# Allegro board RK3588_Template_LP4XD200P232SD10_32R6X52R0_2133MHz_H0R80_V10_20230220.brd (continued)
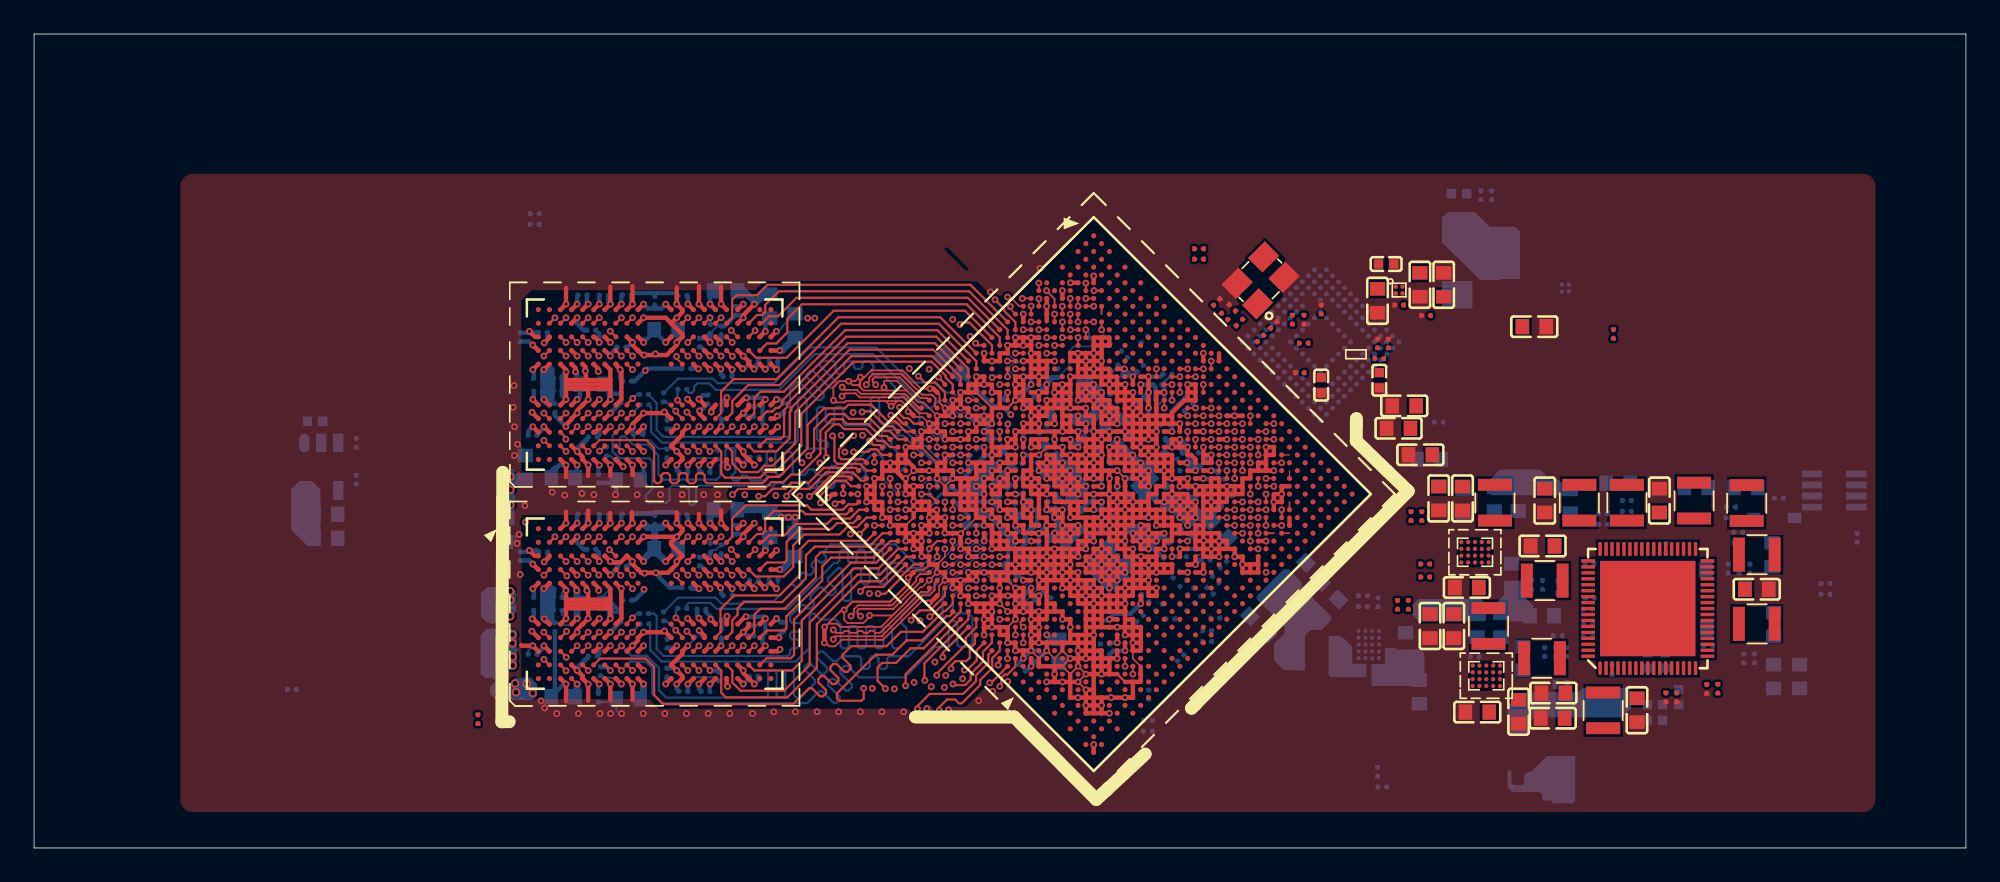
[diagram p0: board, top side]
## Routing (per net, layer and track width the routed paths; a pad name or vN(x,y) marks a point on that pad's centre or on a via; arc(x,y) is an arc through that point) (continued)
  BOTTOM w0.406: v1(64.95,18.94) 64.84,18.83 C3922.1 v1(65.41,17.56) v1(65.41,18.48) ; v1(64.95,18.02) v1(65.87,18.02)
VDD_NPU_S0: length 33.9
  TOP w0.254: 67.25,19.86 U1000.AD22 ; 67.25,19.86 v1(67.25,20.32) ; 67.25,19.86 U1000.AD22 ; U1000.AD22 v1(66.79,19.86) U1000.AC22 ; U1000.AD22 v1(67.25,19.4) U1000.AE22 ; U1000.AD22 v1(67.71,19.86) ; v1(67.71,18.94) U1000.AE22 ; U1000.AE22 v1(68.17,19.4) 68.17,19.86 ; U1000.AE22 v1(67.71,19.86) ; 68.17,19.86 v1(68.17,20.32) U1000.AD23 ; 68.17,19.86 v1(67.71,19.86) ; 68.17,19.86 U1000.AE23 ; v1(67.25,20.32) U1000.AD23 ; v1(67.25,20.32) U1000.AC23 ; v1(67.25,20.32) U1000.AC22 ; U1000.AD23 v1(67.71,19.86) ; U1000.AD23 67.71,20.78 U1000.AC23 ; U1000.AC22 v1(66.33,20.32) ; U1000.AC22 v1(66.79,20.78) ; v1(66.79,20.78) U1000.AB22 66.33,20.32 v1(66.33,20.32) ; v1(66.79,20.78) U1000.AC23 ; v1(66.79,20.78) U1000.AB23 ; v1(66.33,20.32) 65.87,20.32 U1000.AB21
  L4-S1 w0.084: v1(66.33,20.32) 66.01,20
  BOTTOM w0.089: v1(66.79,20.78) 66.99,20.78 ; 67.33,20.4 67.33,20.57 67.38,20.63
  BOTTOM w0.254: v1(66.79,20.78) 66.8,20.77 C3956.1 ; C3951.1 66.21,20.2 v1(66.33,20.32) ; C3951.1 66.77,19.88 v1(66.79,19.86) ; C3951.1 66.23,19.89 66.33,19.99 v1(66.33,20.32) ; v1(66.79,19.86) 66.79,19.86 v1(66.33,20.32) ; v1(66.79,19.86) v1(67.25,19.4) v1(67.71,18.94) 67.71,19.15 67.96,19.4 v1(68.17,19.4) 68.17,19.57 68.35,19.75 ; 67.52,20.63 67.04,20.63 66.99,20.57 ; 67.52,20.63 C3956.1 ; 67.52,20.63 68.14,20.63 68.17,20.65 ; 69.1,19.6 69.07,19.58 C3949.1 68.64,19.6 68.49,19.75 68.35,19.75 ; v1(67.71,19.86) v1(67.25,20.32) 67.33,20.4 67.38,20.46 C3956.1 ; 68.17,20.65 v1(68.17,20.32) 68.17,19.98 C3955.1 68.35,19.75 ; 68.17,20.65 C3952.1 68.26,20.74 68.17,20.65
  BOTTOM w0.406: v1(67.25,19.4) v1(67.71,19.86) ; v1(67.71,19.86) v1(68.17,19.4) 67.92,19.16 ; v1(67.71,19.86) v1(66.79,20.78) 66.55,20.55 ; C3950.1 69.1,19.6 68.64,19.6 ; 67.84,20.32 v1(67.25,20.32) v1(66.79,19.86) ; 67.84,20.32 v1(68.17,20.32) ; 67.84,20.32 67.84,19.99 68.48,19.36 68.89,19.36 C3949.1 ; 67.92,19.16 67.92,19.18 66.55,20.55 ; 67.92,19.16 v1(67.71,18.94) ; 66.55,20.55 v1(66.33,20.32)
VDD_VDENC_S0: length 25.7
  TOP w0.254: 60.35,18.02 U1000.V12 v1(59.89,18.48) U1000.V13 ; 60.35,18.02 U1000.V13 ; 60.35,18.02 U1000.W13 v1(60.81,18.48) ; U1000.V13 v1(60.81,18.48) ; U1000.V13 v1(60.35,18.94) ; U1000.T14 59.89,19.86 U1000.T14 ; U1000.T14 v1(59.43,19.86) U1000.R14 ; U1000.T14 v1(59.89,19.4) U1000.U14 ; U1000.T14 v1(60.35,19.86) U1000.U14 ; U1000.V14 v1(61.27,18.94) 61.27,18.48 v1(60.81,18.48) ; U1000.V14 v1(60.35,18.94) ; U1000.V14 v1(60.81,18.48) ; v1(60.35,18.94) U1000.U14
  L7-GND3 w0.084: v1(59.43,19.86) v1(60.35,19.86)
  BOTTOM w0.254: C3937.1 60.5,18.02 60.35,18.02 60.35,17.79 ; C3937.1 C3930.1 ; C3937.1 60.5,17.61 60.5,17.37 C3935.1 60.35,17.25 60.35,17.79 ; 61.02,18.36 60.9,18.48 ; 61.02,18.36 60.46,17.79 60.35,17.79 ; 61.02,18.36 C3930.1 ; 60.9,18.48 v1(60.81,18.48) ; 60.9,18.48 61.17,18.48 61.27,18.38 ; 59.89,19.96 v1(59.89,19.4) ; 59.89,19.96 C3938.1 60.03,19.86 ; 59.89,19.96 59.8,19.86 59.65,19.86 ; 61.27,18.38 C3930.1 ; 61.27,18.38 v1(61.27,18.94) 61.31,18.94 61.57,18.68 C3936.1 C3930.1 ; 60.03,19.86 60.03,19.27 ; 60.03,19.86 v1(60.35,19.86) ; C3929.1 59.89,18.44 v1(59.89,18.48)
  BOTTOM w0.406: 60.15,19.15 v1(60.35,18.94) ; 60.15,19.15 59.89,19.4 v1(59.89,19.4) ; 60.15,19.15 60.15,18.73 ; v1(60.35,18.94) 60.15,18.73 ; v1(60.35,18.94) 60.35,18.02 ; v1(60.35,18.94) v1(60.81,18.48) ; 60.15,18.73 v1(59.89,18.48) ; v1(59.89,18.48) 59.59,18.18 C3929.1 ; v1(59.89,18.48) 60.35,18.02 ; 60.35,18.02 v1(60.81,18.48) ; v1(59.44,12.52) 59.72,12.24 C3934.1 ; v1(59.43,19.86) 59.65,19.86 59.89,19.62 ; v1(60.81,18.48) v1(61.27,18.94)
VDDA_0V75_S0: length 1.5
  TOP w0.254: 63.57,12.51 v1(63.57,12.05)
  BOTTOM w0.089: C3977.1 63.5,11.98 v1(63.57,12.05)
  BOTTOM w0.254: C3977.1 63.17,12.05 v1(63.57,12.05)
VDDA_1V2_S0: length 1.8
  TOP w0.254: U1000.AH19 v1(68.17,16.64) 68.17,16.64 U1000.AH20
  L4-S1 w0.203: v1(68.17,16.64) 68.17,16.2
  BOTTOM w0.254: v1(68.17,16.64) 68.44,16.91 C3994.1
VDDA_DDR_PLL_S0: length 5.3
  TOP w0.254: U1000.N12 57.14,20.32 v1(57.14,20.32) ; U1000.L15 v1(58.05,23.08)
  L5-GND2 w0.254: v1(58.06,23.08) 58.06,21.51 57.8,21.26 57.39,21.26 57.14,21.01 v1(57.14,20.32)
  BOTTOM w0.254: 57.57,20.2 C1218.1 57.45,20.32 v1(57.14,20.32) ; C1215.1 58.41,23.08 v1(58.06,23.08)
VDDQ_DDR: length 56.3
  TOP w0.102: 30.25,17.1 U3800.B10 ; U3800.D1 v1(31.87,9.62)
  TOP w0.254: U3801.D8 31.77,28.18 v1(31.77,27.96) ; v1(41.78,13.58) 41.72,13.58 U3800.W5 ; v1(42.89,15.28) 42.89,15.28 42.9,15.28 42.9,15.29 42.88,15.31 42.83,15.31 U3800.AA8 ; U3801.U3 v1(40.32,24.74) ; U3800.F3 32.9,11.55 33.21,11.86 33.21,11.88 v1(33.19,11.88) ; U3801.F3 32.92,24.41 33.17,24.67 v1(33.17,24.74) ; U3801.AA3 v1(42.92,24.74) ; U3801.U10 40.25,29.76 v1(40.25,29.65) ; U3800.B5 v1(29.94,13.45) ; U3801.B5 v1(29.92,26.34) ; U3800.U3 v1(40.32,11.87) ; U3801.B10 30.25,29.97 v1(29.94,29.66) ; U3801.W8 41.54,28.17 41.58,28.17 41.61,28.15 41.61,28.14 v1(41.59,28.14) ; v1(40.32,16.82) 40.28,16.82 40,17.11 U3800.U10 ; U3801.B3 v1(29.92,24.74) ; U3800.D5 v1(31.87,13.47) ; v1(29.94,16.79) 30.25,17.1 ; U3800.AA5 v1(42.92,13.47) ; U3801.W12 v1(41.62,31.94) ; U3800.D8 31.85,15.25 v1(31.85,15.12) ; U3801.W5 41.61,26.33 41.72,26.44 v1(41.82,26.44) ; v1(33.17,16.82) 33.17,16.89 32.92,17.15 U3800.F10 ; U3801.AA5 v1(42.92,26.34) ; U3801.D12 v1(31.87,31.94) ; U3800.W12 v1(41.62,19.07) ; v1(42.91,28.11) 42.93,28.11 42.93,28.13 42.88,28.13 U3801.AA8 ; U3800.B8 v1(29.92,15.22) ; U3801.F10 32.89,30.01 33.17,29.73 v1(33.17,29.69) ; v1(41.59,15.28) 41.59,15.29 41.33,15.55 U3800.W8 ; U3801.B8 v1(29.92,28.09) ; U3801.D1 v1(31.87,22.49) ; U3800.AA10 v1(42.92,17.47) ; U3801.W1 v1(41.62,22.49) ; U3801.AA10 v1(42.92,30.34) ; U3800.W1 v1(41.62,9.62) ; U3800.AA3 v1(42.92,11.87) ; U3800.B3 v1(29.92,11.87) ; U3801.D5 v1(31.87,26.34) ; U3800.D12 v1(31.87,19.07)
  BOTTOM w0.102: C3829.1 30.71,13.22 30.85,13.08 31.48,13.08 v1(31.87,13.47)
  BOTTOM w0.254: v1(40.32,16.82) 40.32,17.28 C3834.1 ; v1(41.82,26.44) 41.85,26.44 41.85,26.33 41.96,26.44 C3883.1 42.82,26.44 v1(42.92,26.34) 42.75,26.17 C3878.1 42.75,24.91 v1(42.92,24.74) ; v1(31.87,19.07) 31.87,19.53 C3830.1 ; C3873.1 41.62,22.53 v1(41.62,22.49) ; v1(42.92,30.34) 42.92,30.87 C3869.1 ; v1(41.62,9.62) 41.99,9.99 C3828.1 ; v1(29.92,24.74) 29.92,24.66 C3887.1 ; v1(42.91,28.11) 42.93,28.11 42.93,28.13 43.15,28.34 C3880.1 ; v1(31.87,22.49) 31.87,21.86 C3871.1 ; v1(33.19,11.88) 33.21,11.88 33.21,11.86 33.17,11.82 33.17,11.39 C3842.1 ; v1(41.59,15.28) 41.59,15.28 42,15.68 C3836.1 ; v1(29.92,11.87) 29.92,11.79 C3835.1 ; C3886.1 30.18,26.08 v1(29.92,26.34) 29.84,26.42 R3818.1 C3876.1 C3874.1 30.43,27.58 v1(29.92,28.09) 29.84,28 R3819.1 ; C3882.1 40.35,24.76 v1(40.32,24.74) ; C3885.1 31.87,32.4 v1(31.87,31.94) ; C3832.1 30.13,16.99 v1(29.94,16.79) ; v1(40.25,29.65) 40.33,29.72 C3879.1 ; v1(41.62,19.07) 41.48,18.93 C3831.1 ; C3872.1 33.17,30.18 v1(33.17,29.69) ; v1(29.94,29.66) 30.11,29.83 C3877.1 ; v1(42.92,11.87) 42.75,12.04 C3837.1 42.92,12.63 v1(42.92,13.47) 42.82,13.58 C3840.1 v1(41.78,13.58) ; v1(29.94,13.45) 29.94,13.5 30.4,13.96 C3838.1 C3841.1 ; v1(29.94,13.45) 30.18,13.22 C3829.1 ; v1(29.94,13.45) 29.84,13.56 R3809.1 R3810.1 C3841.1 ; C3839.1 40.35,11.9 v1(40.32,11.87) ; v1(41.59,28.14) 41.61,28.14 41.61,28.15 41.63,28.17 41.7,28.17 42,28.47 C3875.1 ; C3884.1 33.17,24.26 v1(33.17,24.74) ; C3827.1 33.14,17.35 33.15,17.35 33.15,16.84 v1(33.17,16.82) ; v1(29.92,15.22) 30.52,15.22 30.52,15.22 30.52,14.76 C3841.1 ; v1(31.77,27.96) 31.87,27.86 31.87,27.38 C3870.1 32.02,26.49 v1(31.87,26.34) ; C3881.1 41.48,31.8 v1(41.62,31.94) ; v1(42.89,15.28) 42.89,15.28 42.9,15.28 42.9,15.32 43.15,15.57 C3833.1
  BOTTOM w0.406: v1(31.87,9.62) 31.87,9 C3826.1 ; C3825.1 42.92,18 v1(42.92,17.47) ; v1(31.85,15.12) 31.87,15.09 31.87,14.52 C3824.1 31.87,14.21 v1(31.87,13.47)
  vias: v2(28.07,12.53) v2(28.07,12.02) v2(28.09,11.23) v2(28.09,10.72)
VDDQ_DDR_S0: length 47.9
  TOP w0.089: U1000.M10 55.76,19.86 v1(55.76,19.86)
  TOP w0.254: U1000.T10 v1(57.6,18.02) U1000.R10 v1(57.14,18.48) U1000.P10 v1(56.68,18.94) 56.68,19.4 U1000.N10 v1(56.22,19.4) U1000.M10 56.22,19.86 v1(55.76,19.86) U1000.L10 v1(55.76,20.78) U1000.K11 ; U1000.K11 v1(55.76,21.7) U1000.K12 56.22,21.7 v1(56.22,22.16) 56.68,22.16 U1000.K13 v1(56.68,22.62) U1000.K14 ; U1000.K11 v1(55.3,21.24) ; U1000.K14 57.14,23.08 U1000.K15 57.59,22.62 U1000.K14 ; v1(57.6,21.7) 57.6,21.7 U1000.M13
  BOTTOM w0.084: v2(29.27,9.09) 28.92,9.45 v2(28.92,9.64) ; R3808.2 28.15,9.53 28.23,9.61 v2(28.23,9.66)
  BOTTOM w0.127: R1201.2 52.49,19.92 R1202.2 52.94,20.5 53.26,20.82 C1211.1
  BOTTOM w0.203: 53.41,20.8 53.4,20.8 ; 53.4,20.8 53.37,20.8 ; 53.4,20.8 C1211.1
  BOTTOM w0.254: v1(55.76,19.86) 55.63,19.86 55.36,19.6 ; v1(55.76,19.86) 56.02,19.6 55.36,19.6 ; v1(55.76,19.86) 55.76,19.86 55.24,19.86 ; 55.28,21.7 55.3,21.68 v1(55.3,21.24) ; 55.28,21.7 v1(55.76,21.7) 55.76,22.08 55.69,22.15 ; 55.28,21.7 C1202.1 ; 55.67,22.17 55.69,22.15 ; 55.67,22.17 56.1,22.6 56.12,22.58 ; 55.67,22.17 55.24,21.74 C1202.1 ; 55.69,22.15 55.69,22.16 v1(56.22,22.16) 56.22,22.49 ; 56.22,22.49 56.12,22.58 ; 56.22,22.49 55.01,21.28 55.01,21.24 ; 56.12,22.58 56.64,22.58 v1(56.68,22.62) ; C1213.1 57.94,21.7 v1(57.6,21.7) ; 55.36,19.6 55.36,19.74 55.24,19.86 ; 55.36,19.6 C1207.1 ; 57.14,17.98 57.17,18.02 v1(57.6,18.02) 57.6,17.91 57.16,17.48 ; 57.14,17.98 57.13,17.97 ; 57.14,17.98 v1(57.14,18.48) ; 57.13,17.97 57.16,17.94 57.16,17.48 ; 57.13,17.97 C1210.1 ; 53.83,21.21 53.83,21.21 53.41,20.8 ; 53.83,21.21 C1209.1 ; 53.83,21.21 53.85,21.21 54.3,20.77 54.33,20.77 ; 55.24,19.86 54.96,20.14 ; 54.96,20.14 54.96,20.53 ; 54.96,20.14 54.77,20.33 C1205.1 54.79,20.35 ; 55.01,21.24 54.84,21.24 54.81,21.27 ; 55.01,21.24 v1(55.3,21.24) ; 54.52,20.99 54.35,20.82 54.35,20.77 54.33,20.77 ; 54.52,20.99 54.81,21.27 ; 54.52,20.99 55.48,20.99 55.51,21.02 ; 54.33,20.77 54.33,20.75 55.18,20.75 C1206.1 ; v1(57.14,18.48) 56.78,18.48 56.7,18.4 ; v1(57.14,18.48) 56.7,18.92 ; v1(56.68,18.94) 56.7,18.92 ; 56.7,18.92 56.7,18.4 ; R1200.2 57.02,15.89 C1200.1 57.02,16.69 57.16,16.83 57.16,17.48 ; C1232.1 56.28,25.96 R1203.2 56.65,25.96 56.73,25.88 56.9,25.88 v1(57.33,25.45) ; 56.7,18.4 C1208.1 ; 54.81,21.27 C1203.1 ; C1202.1 54.79,21.29 C1203.1 ; v1(55.3,21.24) 55.24,21.19 C1206.1 ; C1203.1 54.79,20.35 ; 54.79,20.35 54.96,20.53 ; C1206.1 55.12,20.69 54.96,20.53 ; C1206.1 55.33,20.78 v1(55.76,20.78)
  BOTTOM w0.406: v1(56.68,22.62) v1(56.22,22.16) v1(55.76,21.7) v1(55.3,21.24) 55.51,21.02 v1(55.76,20.78) ; v1(57.6,18.02) v1(57.14,18.48) v1(56.68,18.94) 56.68,19 56.27,19.4 v1(56.22,19.4) v1(55.76,19.86)
  vias: v2(28.29,9.14)
6DOF_FRAME_SYNC: length 0.5
  TOP w0.102: U1000.AH26 v1(71.38,19.86)
6DOF_LD_RST: length 0.5
  TOP w0.102: U1000.AC28 v1(70,23.08)
6DOF_LD_STROBE: length 0.5
  TOP w0.089: U1000.AE28 v1(70.46,21.7)
6DOF_LU_STROBE: length 0.5
  TOP w0.089: U1000.AD29 v1(70.92,23.08)
6DOF_RD_STROBE: length 0.5
  TOP w0.089: U1000.AG29 v1(71.84,21.24)
6DOF_RU_RST: length 0.5
  TOP w0.084: U1000.AH30 v1(72.3,21.7)
6DOF_RU_STROBE: length 0.5
  TOP w0.089: U1000.AD28 v1(70.46,22.62)
6DOF_ULPM_DOWN: length 0.5
  TOP w0.102: U1000.AC29 v1(70.46,23.54)
6DOF_ULPM_UP: length 0.5
  TOP w0.089: U1000.AH27 v1(71.84,20.32)
52832_RST: length 0
BQ_OTG_EN_H: length 0.5
  TOP w0.089: 72.3,19.4 v1(72.3,18.94)
BT_REG_ON_H: length 0.5
  TOP w0.102: U1000.T29 v1(66.79,26.29)
CC_INT_L: length 0.5
  TOP w0.089: U1000.U33 v1(69.09,28.59)
CONFIRM_C: length 0.5
  TOP w0.102: U1000.AB28 v1(69.54,23.54)
CPU_BIG0_VSEL: length 0.5
  TOP w0.102: v1(67.71,28.13) U1000.R31
CPU_BIG1_VSEL: length 0.5
  TOP w0.102: U1000.W28 v1(68.17,24.92)
DDR_CH0_A0_A: length 39.4
  TOP w0.127: U1000.T7 v1(56.22,16.64) ; U3800.H2 v1(34.47,10.42)
  BOTTOM w0.089: 53.93,14.78 53.93,14.82 55.76,16.64 v1(56.22,16.64)
  BOTTOM w0.127: 53.93,14.78 53.93,13.9 54.06,13.77 54.84,13.77 55.07,13.54 55.07,12.04 54.84,11.81 54.31,11.81 54.19,11.94 54.19,13.2 54.06,13.32 53.81,13.32 53.68,13.2 53.68,11.94 53.55,11.81 52.89,11.81 51.09,10.01 48.43,10.01 47.74,10.69 47.56,10.69 47.32,10.45 47.32,10.28 47.99,9.6 47.99,9.42 47.81,9.25 47.63,9.25 46.96,9.92 46.78,9.92 46.6,9.74 46.6,9.56 47.27,8.89 47.27,8.71 47.1,8.53 46.92,8.53 46.25,9.2 46.07,9.2 45.37,8.51 36.82,8.51 36.28,9.05 36.28,10.56 35.89,10.94 34.99,10.94 v1(34.47,10.42)
DDR_CH0_A0_B: length 23.6
  TOP w0.127: U3800.R2 v1(39.02,10.42) ; U1000.M8 v1(55.3,18.48)
  L4-S1 w0.094: v1(39.02,10.42) 39.16,10.42 39.52,10.07 42.69,10.07 42.95,9.81 47.93,9.81 50.83,12.71 50.83,13.27 51.98,14.42 51.98,14.71 52.5,15.23 52.63,15.23 53.23,14.63 53.36,14.63 53.49,14.77 53.49,14.9 52.9,15.49 52.9,15.63 55.3,18.03 v1(55.3,18.48)
DDR_CH0_A1_A: length 37.8
  TOP w0.127: U3800.J2 v1(35.12,10.42) ; U1000.T8 v1(56.68,17.1)
  L4-S1 w0.094: v1(56.68,17.1) 56.55,16.98 56.55,16.52 54.26,14.23 54.26,14.09 54.89,13.46 54.89,13.33 54.76,13.2 54.63,13.2 53.99,13.83 53.86,13.83 53.73,13.7 53.73,13.56 54.36,12.93 54.36,12.8 54.23,12.66 54.09,12.66 53.46,13.3 53.33,13.3 53.19,13.16 53.19,13.03 53.83,12.4 53.83,12.26 53.7,12.13 53.56,12.13 52.93,12.76 52.8,12.76 52.63,12.6 52.63,12.47 53.04,12.07 53.04,11.94 52.91,11.81 52.79,11.81 52.38,12.22 52.25,12.22 52.13,12.1 52.13,11.97 52.53,11.56 52.53,11.44 52.41,11.31 52.28,11.31 51.88,11.72 51.2,11.72 50.88,11.4 50.88,11.26 51.06,11.09 51.06,10.95 50.92,10.82 50.79,10.82 50.61,11 50.48,11 50.35,10.86 50.35,10.73 50.53,10.55 50.53,10.42 50.39,10.29 50.26,10.29 50.08,10.46 49.95,10.46 49.6,10.12 49.6,8.86 49.51,8.76 36.09,8.76 35.43,9.42 35.43,10.11 v1(35.12,10.42)
DDR_CH0_A1_B: length 21.9
  TOP w0.127: U3800.P2 v1(38.37,10.42) ; U1000.M5 53.92,17.56 v1(53.92,18.02)
  L4-S1 w0.094: v1(38.37,10.42) 38.72,10.77 42.66,10.77 43.24,10.19 47.75,10.19 50.5,12.93 50.5,13.49 51.56,14.55 51.56,14.89 52.07,15.4 52.07,15.72 52.46,16.11 52.46,16.24 52.23,16.48 52.23,16.62 52.36,16.75 52.49,16.75 52.73,16.51 52.86,16.51 53.92,17.57 v1(53.92,18.02)
DDR_CH0_A2_A: length 34.3
  TOP w0.127: U1000.P4 v1(53.92,16.18) ; U3800.H9 34.44,16.06 v1(34.44,16.01)
  L8_S3 w0.094: v1(53.92,16.18) 53.48,16.18 52.69,16.98 52.68,16.98 52.41,17.25 52.23,17.43 52.23,17.43 51.97,17.43 51.73,17.2 50.61,17.2 48.07,19.74 45.99,19.74 45.45,20.28 30.75,20.28 29.8,19.34 29.8,18.04 30.47,17.37 32.23,17.37 32.46,17.14 33.35,17.14 33.49,17 33.49,16.7 33.69,16.5 33.94,16.5 v1(34.44,16.01)
DDR_CH0_A2_B: length 22.5
  TOP w0.127: U3800.R9 v1(39.02,16.02) ; U1000.N5 v1(53.92,17.1)
  L6-S2 w0.089: v1(53.92,17.1) 53.44,17.1 52.25,15.91
  L6-S2 w0.094: 52.25,15.91 49.48,13.15 48.72,13.15 46.84,11.27 39.8,11.27 39.35,11.72 39.35,15.69 v1(39.02,16.02)
DDR_CH0_A3_A: length 34.6
  TOP w0.127: U3800.H10 34.13,17.15 v1(33.77,17.51) 33.72,17.51 33.72,17.46 33.73,17.46 33.77,17.46 33.77,17.52 ; U1000.P5 v1(54.38,16.64)
  L8_S3 w0.094: v1(54.38,16.64) 54.38,16.17 54.5,16.04 54.51,16.04 54.7,15.86 54.7,15.85 54.71,15.84 54.71,15.58 54.52,15.4 54.52,15.38 54.27,15.13 54.25,15.13 54.07,14.95 54.06,14.95 54.05,14.95 53.79,14.95 51.94,16.79 50.58,16.79 48.05,19.32 45.96,19.32 45.29,19.98 31.03,19.98 30.17,19.12 30.17,18.11 30.59,17.68 32.59,17.68 32.79,17.48 33.72,17.48 33.72,17.51 v1(33.77,17.51)
DDR_CH0_A3_B: length 24.3
  TOP w0.127: v1(53.46,16.64) U1000.N4 53.92,16.64 ; U3800.R10 v1(38.37,16.82)
  L6-S2 w0.089: v1(53.46,16.64) 53.46,16.17 52.76,15.47
  L6-S2 w0.094: 52.76,15.47 50.15,12.86 48.85,12.86 46.94,10.96 39.45,10.96 38.7,11.7 38.7,15.41 38.47,15.64 38.26,15.64 38.04,15.86 38.04,16.49 v1(38.37,16.82)
DDR_CH0_A4_A: length 30.6
  TOP w0.127: U3800.H11 v1(34.47,18.27) ; U1000.R1 53.39,14.35 52.62,13.58 v1(52.57,13.58)
  L8_S3 w0.094: v1(52.57,13.58) 52.34,13.58 49.75,16.18 49.61,16.18 49.06,15.63 48.93,15.63 48.8,15.76 48.8,15.9 49.35,16.45 49.35,16.58 49.21,16.71 49.08,16.71 48.53,16.16 48.4,16.16 48.27,16.29 48.27,16.43 48.82,16.98 48.82,17.11 48.68,17.25 47.62,17.25 47.25,17.61 47.13,17.61 46.18,16.67 46,16.67 45.87,16.79 45.87,16.99 46.81,17.93 46.81,18.05 46.64,18.23 45.66,18.23 45.56,18.13 45.56,17.56 45.47,17.47 45.28,17.47 45.19,17.56 45.19,18.13 45.09,18.23 43.14,18.23 42.62,18.74 36.81,18.74 36.71,18.65 36.71,18.38 36.62,18.29 36.43,18.29 36.34,18.38 36.34,18.65 36.24,18.74 34.58,18.74 34.47,18.63 v1(34.47,18.27)
DDR_CH0_A4_B: length 19.8
  TOP w0.127: U3800.R11 v1(39.02,18.27) ; U1000.K1 51.16,16.64 49.85,15.34 48.77,15.34 v1(48.5,15.07)
  L4-S1 w0.094: v1(39.02,18.27) 39.39,17.9 47.78,17.9 47.91,17.78 47.91,17.65 47.12,16.87 47.12,16.74 47.25,16.61 47.38,16.61 48.16,17.4 48.29,17.4 48.5,17.18 48.5,17.03 48.42,16.94 48.09,16.94 48.01,16.85 48.01,16.67 48.09,16.58 48.42,16.58 48.5,16.49 48.5,16.31 48.42,16.23 48.09,16.23 48.01,16.14 48.01,15.96 48.09,15.87 48.42,15.87 48.5,15.78 v1(48.5,15.07)
DDR_CH0_A5_A: length 31.7
  TOP w0.127: U1000.P2 53.46,14.82 52.6,13.96 52,13.96 51.47,13.43 v1(51.47,13.38) ; U3800.J11 v1(35.12,18.27)
  L8_S3 w0.094: v1(51.47,13.38) 51.47,13.96 51.28,14.15 51.14,14.15 50.91,13.92 50.77,13.92 50.68,14.02 50.68,14.15 50.91,14.38 50.91,14.52 50.81,14.62 50.68,14.62 50.44,14.38 50.31,14.38 50.21,14.48 50.21,14.62 50.44,14.85 50.44,14.98 50.15,15.28 50.02,15.28 49.95,15.2 49.95,14.68 49.82,14.56 48.29,14.56 47.75,15.09 47.09,15.09 46.92,15.27 46.92,15.4 47.82,16.3 47.82,16.43 47.69,16.57 47.56,16.57 46.65,15.66 46.52,15.66 46.39,15.8 46.39,15.93 47.29,16.83 47.29,16.96 47.16,17.1 47.02,17.1 46.12,16.2 45.99,16.2 44.26,17.92 42.65,17.92 42.56,18.02 42.56,18.34 42.46,18.43 42.32,18.43 42.23,18.34 42.23,18.02 42.13,17.92 41.15,17.92 41.05,18.02 41.05,18.3 40.96,18.39 40.82,18.39 40.73,18.3 40.73,18.02 40.63,17.92 35.49,17.92 35.14,18.27 v1(35.12,18.27)
DDR_CH0_A5_B: length 20.6
  TOP w0.127: U3800.P11 v1(38.37,18.27) ; U1000.L2 51.62,16.64 51.27,16.3 51.24,16.3 50.83,15.89 50.83,15.8 49.96,14.93 v1(49.54,14.93)
  L4-S1 w0.094: v1(38.37,18.27) 39.09,17.55 40.34,17.55 40.7,17.19 41.75,17.19 41.81,17.13 44.4,17.13 44.5,17.22 44.5,17.53 44.59,17.63 44.78,17.63 44.87,17.53 44.87,17.22 44.97,17.13 45.15,17.13 45.25,17.22 45.25,17.53 45.34,17.63 45.53,17.63 45.62,17.53 45.62,17.22 45.72,17.13 45.95,17.13 46.08,17 46.21,17 46.79,17.57 46.92,17.57 47.05,17.44 47.05,17.31 46.48,16.73 46.48,16.6 47.09,15.99 47.22,15.99 47.39,16.16 47.52,16.16 47.66,16.03 47.66,15.9 47.49,15.73 47.49,15.59 48.48,14.6 49.2,14.6 v1(49.54,14.93)
DDR_CH0_CLKN_A: length 34.5
  TOP w0.104: U1000.N1 52.54,15.13 52.45,15.04 52.06,15.04 49.66,12.63 49.37,12.63 49.24,12.76 49.06,12.76 48.94,12.63 48.71,12.63 48.61,12.74 48.38,12.74 48.28,12.63 47.9,12.63 47.8,12.74 47.57,12.74 47.47,12.63 47.08,12.63 v1(46.91,12.81) ; U3800.J9 v1(35.12,16.02)
  L4-S1 w0.086: v1(46.91,12.81) 46.74,12.64 45.57,12.64 45.41,12.81 45.41,12.95 45.17,13.19 45.03,13.19 44.87,13.35 44.87,13.49 44.71,13.65 44.56,13.66 44.05,14.17 38.74,14.17 38.68,14.22 30.57,14.22 30.49,14.31 30.49,14.43 30.83,14.77 30.83,15.17 31.09,15.43 31.11,15.43 31.11,15.43 33.64,15.43 33.74,15.34
  L4-S1 w0.104: v1(35.12,16.02) 35.12,15.83 35.23,15.72 36.23,15.72 36.43,15.52 36.43,14.83 36.23,14.63 34.24,14.63 33.74,15.13 33.74,15.34
DDR_CH0_CLKN_B: length 22.7
  TOP w0.104: v1(48.5,13.61) 48.32,13.79 48.32,13.94 48.43,14.04 50.07,14.04 50.07,14.04 50.42,14.04 50.43,14.05 50.44,14.05 52.08,15.69 U1000.M1 ; U3800.P9 v1(38.37,16.02)
  L4-S1 w0.086: v1(38.37,16.02) 38.14,15.79 38.14,15.61 38.38,15.37 38.6,15.37 38.68,15.28 38.68,15.06 38.99,14.76 43.71,14.76 44.2,15.25 44.2,15.4 44.1,15.5 44.1,15.73 44.2,15.83 44.2,16.06 44.41,16.26 44.84,16.26 44.95,16.15 44.95,14.93 45.04,14.85 45.21,14.85 45.3,14.93 45.3,16.11 45.49,16.3 45.88,16.3 46.05,16.14 46.05,15.51 46.15,15.41 46.15,15.18 46.05,15.08 46.05,14.85 46.14,14.76 46.94,14.76 47.04,14.86 47.27,14.86 47.37,14.76 47.6,14.76 48.34,14.03 48.34,13.78 v1(48.5,13.61)
DDR_CH0_CLKP_A: length 35.1
  TOP w0.104: U3800.J8 34.85,15.55 35.12,15.28 v1(35.12,15.22) ; U1000.N2 52.85,15.58 52.85,15.15 52.84,15.14 52.84,15.14 52.66,14.96 52.66,14.96 52.54,14.84 52.15,14.84 49.74,12.43 46.99,12.43 46.91,12.34 v1(46.91,12.25)
  L4-S1 w0.086: v1(46.91,12.25) 46.72,12.44 45.49,12.44 44.42,13.51 43.97,13.96 38.65,13.96 38.59,14.02 30.49,14.02 30.28,14.23 30.28,14.52 30.62,14.86 30.62,15.25 31.01,15.63 31.02,15.63 31.03,15.64 33.73,15.64 33.94,15.43 33.94,15.21 34.32,14.83 ; v1(35.12,15.22) 35.12,15.43
  L4-S1 w0.104: 34.32,14.83 36.15,14.83 36.23,14.91 36.23,15.41 36.14,15.5 35.19,15.5 35.12,15.43
DDR_CH0_CLKP_B: length 23.2
  TOP w0.104: U1000.M2 52.44,16.09 52,16.09 51.77,15.86 51.77,15.67 50.36,14.26 50.34,14.26 50.33,14.24 50.15,14.24 48.34,14.25 48.12,14.02 48.12,13.78 v1(47.95,13.61) ; v1(37.7,16) 37.7,15.89 U3800.P8
  L4-S1 w0.086: v1(37.7,16) 37.94,15.77 37.94,15.52 38.9,14.56 43.8,14.56 44.4,15.17 44.4,15.97 44.49,16.06 44.66,16.06 44.75,15.97 44.75,14.85 44.95,14.64 45.3,14.64 45.5,14.85 45.5,15.97 45.59,16.06 45.76,16.06 45.85,15.97 45.85,14.76 46.05,14.56 47.52,14.56 48.13,13.94 48.13,13.79 v1(47.95,13.61)
DDR_CH0_DM0_A: length 31.5
  TOP w0.127: v1(56.68,13.43) U1000.Y4 ; v1(31.23,11.2) 31.21,11.22 31.21,11.23 U3800.C3
  L4-S1 w0.094: v1(56.68,13.43) 56.21,13.43 53.29,10.5 51.23,10.5 50.83,10.1 50.83,8.62 50.7,8.48 35.79,8.48 35.37,8.9 31.71,8.9 31.54,9.07 31.54,10.89 v1(31.23,11.2)
DDR_CH0_DM0_B: length 16.9
  TOP w0.127: U3800.Y3 v1(42.27,11.87) ; U1000.G4 v1(50.7,19.4) U1000.G4
  L4-S1 w0.094: v1(50.7,19.4) 50.7,18.39 49.98,17.67 49.98,14.45 49.55,14.02 49.55,13.63 47.43,11.51 45.17,11.51 43.91,12.76 42.77,12.76 42.27,12.27 v1(42.27,11.87)
DDR_CH0_DM1_A: length 36
  TOP w0.127: 58.05,12.51 v1(58.05,12.05) ; U3800.C10 v1(31.22,16.82)
  L8_S3 w0.094: v1(31.22,16.82) 31.64,16.41 33.36,16.41 33.5,16.26 33.5,15.86 33.7,15.66 44.95,15.66 48.32,12.29 48.91,12.29 49.02,12.4 49.02,12.7 49.13,12.81 49.35,12.81 49.46,12.7 49.46,12.4 49.57,12.29 49.79,12.29 49.89,12.4 49.89,12.7 50,12.81 50.22,12.81 50.33,12.7 50.33,12.4 50.44,12.29 53.54,12.29 55.56,10.27 55.56,9.39 56.14,8.81 56.92,8.81 57.65,9.53 57.65,11.21 57.71,11.27 57.73,11.27 57.91,11.46 57.91,11.47 57.94,11.49 57.94,11.93 v1(58.05,12.05)
DDR_CH0_DM1_B: length 10.3
  TOP w0.127: U1000.E4 50.24,20.51 v1(50.24,20.78) ; U3800.Y10 v1(42.32,17.52)
  L6-S2 w0.089: v1(50.24,20.78) 48.86,20.78 48.45,20.37
  L6-S2 w0.094: 48.45,20.37 47.98,19.89 47.18,19.89 46.09,18.8 43.6,18.8 v1(42.32,17.52)
DDR_CH0_DQ0_A: length 28.6
  TOP w0.127: U1000.U1 51.15,10.2 v1(51.15,9.53) ; U3800.B2 v1(29.92,11.07)
  L8_S3 w0.094: v1(29.92,11.07) 29.92,10.47 31.42,8.97 50.89,8.97 51.15,9.24 v1(51.15,9.53)
DDR_CH0_DQ0_B: length 11.7
  TOP w0.127: U3800.AA2 42.99,11.14 44.41,11.14 44.6,11.34 44.6,13.42 47.95,16.76 49.44,16.76 U1000.H1
DDR_CH0_DQ1_A: length 28.5
  TOP w0.127: v1(31.22,10.4) 31.22,10.4 31.22,10.43 U3800.C2 ; U1000.T2 54.38,13.89 52.22,11.73 51.45,11.73 50.59,10.87 49.77,10.87 49.5,10.6 49.5,9.82 v1(49.96,9.35)
  L8_S3 w0.094: v1(49.96,9.35) 49.55,9.77 43.54,9.77 42.2,11.11 31.71,11.11 31.25,10.66 31.25,10.44 31.22,10.4 v1(31.22,10.4)
DDR_CH0_DQ1_B: length 13.7
  TOP w0.127: 51.16,17.56 U1000.J2 51.16,17.56 ; 51.16,17.56 50.71,17.56 49.57,16.42 48.12,16.42 45.06,13.36 45.06,10.99 44.49,10.42 42.27,10.42 U3800.Y2
DDR_CH0_DQ2_A: length 28.8
  TOP w0.127: U3800.E2 v1(32.52,10.42) ; v1(48.69,9.38) 48.69,8.77 48.56,8.65 47.25,8.65 47.12,8.77 47.12,9.07 49.4,11.35 50.37,11.35 51.21,12.19 52.13,12.19 53.56,13.62 53.74,13.62 53.92,13.8 U1000.T1
  L8_S3 w0.094: v1(32.52,10.42) 32.9,10.8 41.89,10.8 43.31,9.38 v1(48.69,9.38)
DDR_CH0_DQ2_B: length 15.8
  TOP w0.127: U1000.J1 50.7,17.1 49.65,16.06 48.34,16.06 45.52,13.24 45.52,10.73 44.02,9.23 41.46,9.23 40.98,9.72 40.98,10.41 U3800.V2
DDR_CH0_DQ3_A: length 30.8
  TOP w0.127: U1000.R2 53.92,14.81 53.92,14.34 53.48,13.9 53.38,13.9 52.16,12.69 50.87,12.69 50.03,11.85 47.95,11.85 47.45,11.35 47.45,11.17 47.92,10.7 47.92,10.52 47.74,10.34 47.56,10.34 47.09,10.81 46.91,10.81 46.73,10.63 46.73,10.45 47.2,9.98 47.2,9.8 47.02,9.62 46.84,9.62 46.38,10.09 46.2,10.09 46.02,9.91 46.02,9.73 46.48,9.26 46.48,9.09 46.3,8.91 46.12,8.91 45.66,9.37 45.48,9.37 44.55,8.44 36.93,8.44 36.39,8.99 36.39,10.63 35.9,11.12 33.22,11.12 U3800.F2
DDR_CH0_DQ3_B: length 18.1
  TOP w0.127: U1000.K2 51.17,17.1 49.73,15.66 48.45,15.66 45.94,13.15 45.94,10.57 44.21,8.84 40.61,8.84 40.33,9.12 40.33,10.37 40.33,10.41 U3800.U2
DDR_CH0_DQ4_A: length 26.6
  TOP w0.127: U1000.W1 55.21,12.42 55.21,11.99 54.92,11.7 54.92,11.17 54.72,10.97 54.08,10.97 53.82,10.71 53.82,10.53 v1(53.82,10.53) ; U3800.F4 v1(33.17,12.67)
  L8_S3 w0.089: v1(53.82,10.53) 53.82,10.53
  L8_S3 w0.094: 53.82,10.53 53.75,10.53 53.7,10.57 52.66,10.57 52.34,10.89 44.49,10.89 44.38,11 44.38,12.91 44.19,13.1 33.27,13.1 33.17,13.01 v1(33.17,12.67)
DDR_CH0_DQ4_B: length 13.6
  TOP w0.127: U1000.F1 48.87,18.04 45.46,18.04 44.93,17.51 44.93,16.02 43.75,14.83 41.08,14.83 40.29,14.03 40.29,13.42 40.29,13.42 40.29,13.3 40.31,13.28 40.31,12.69 40,12.38 U3800.U4
